# Altium PCB PCB1.PcbDoc (part 1 of 3) (continued)
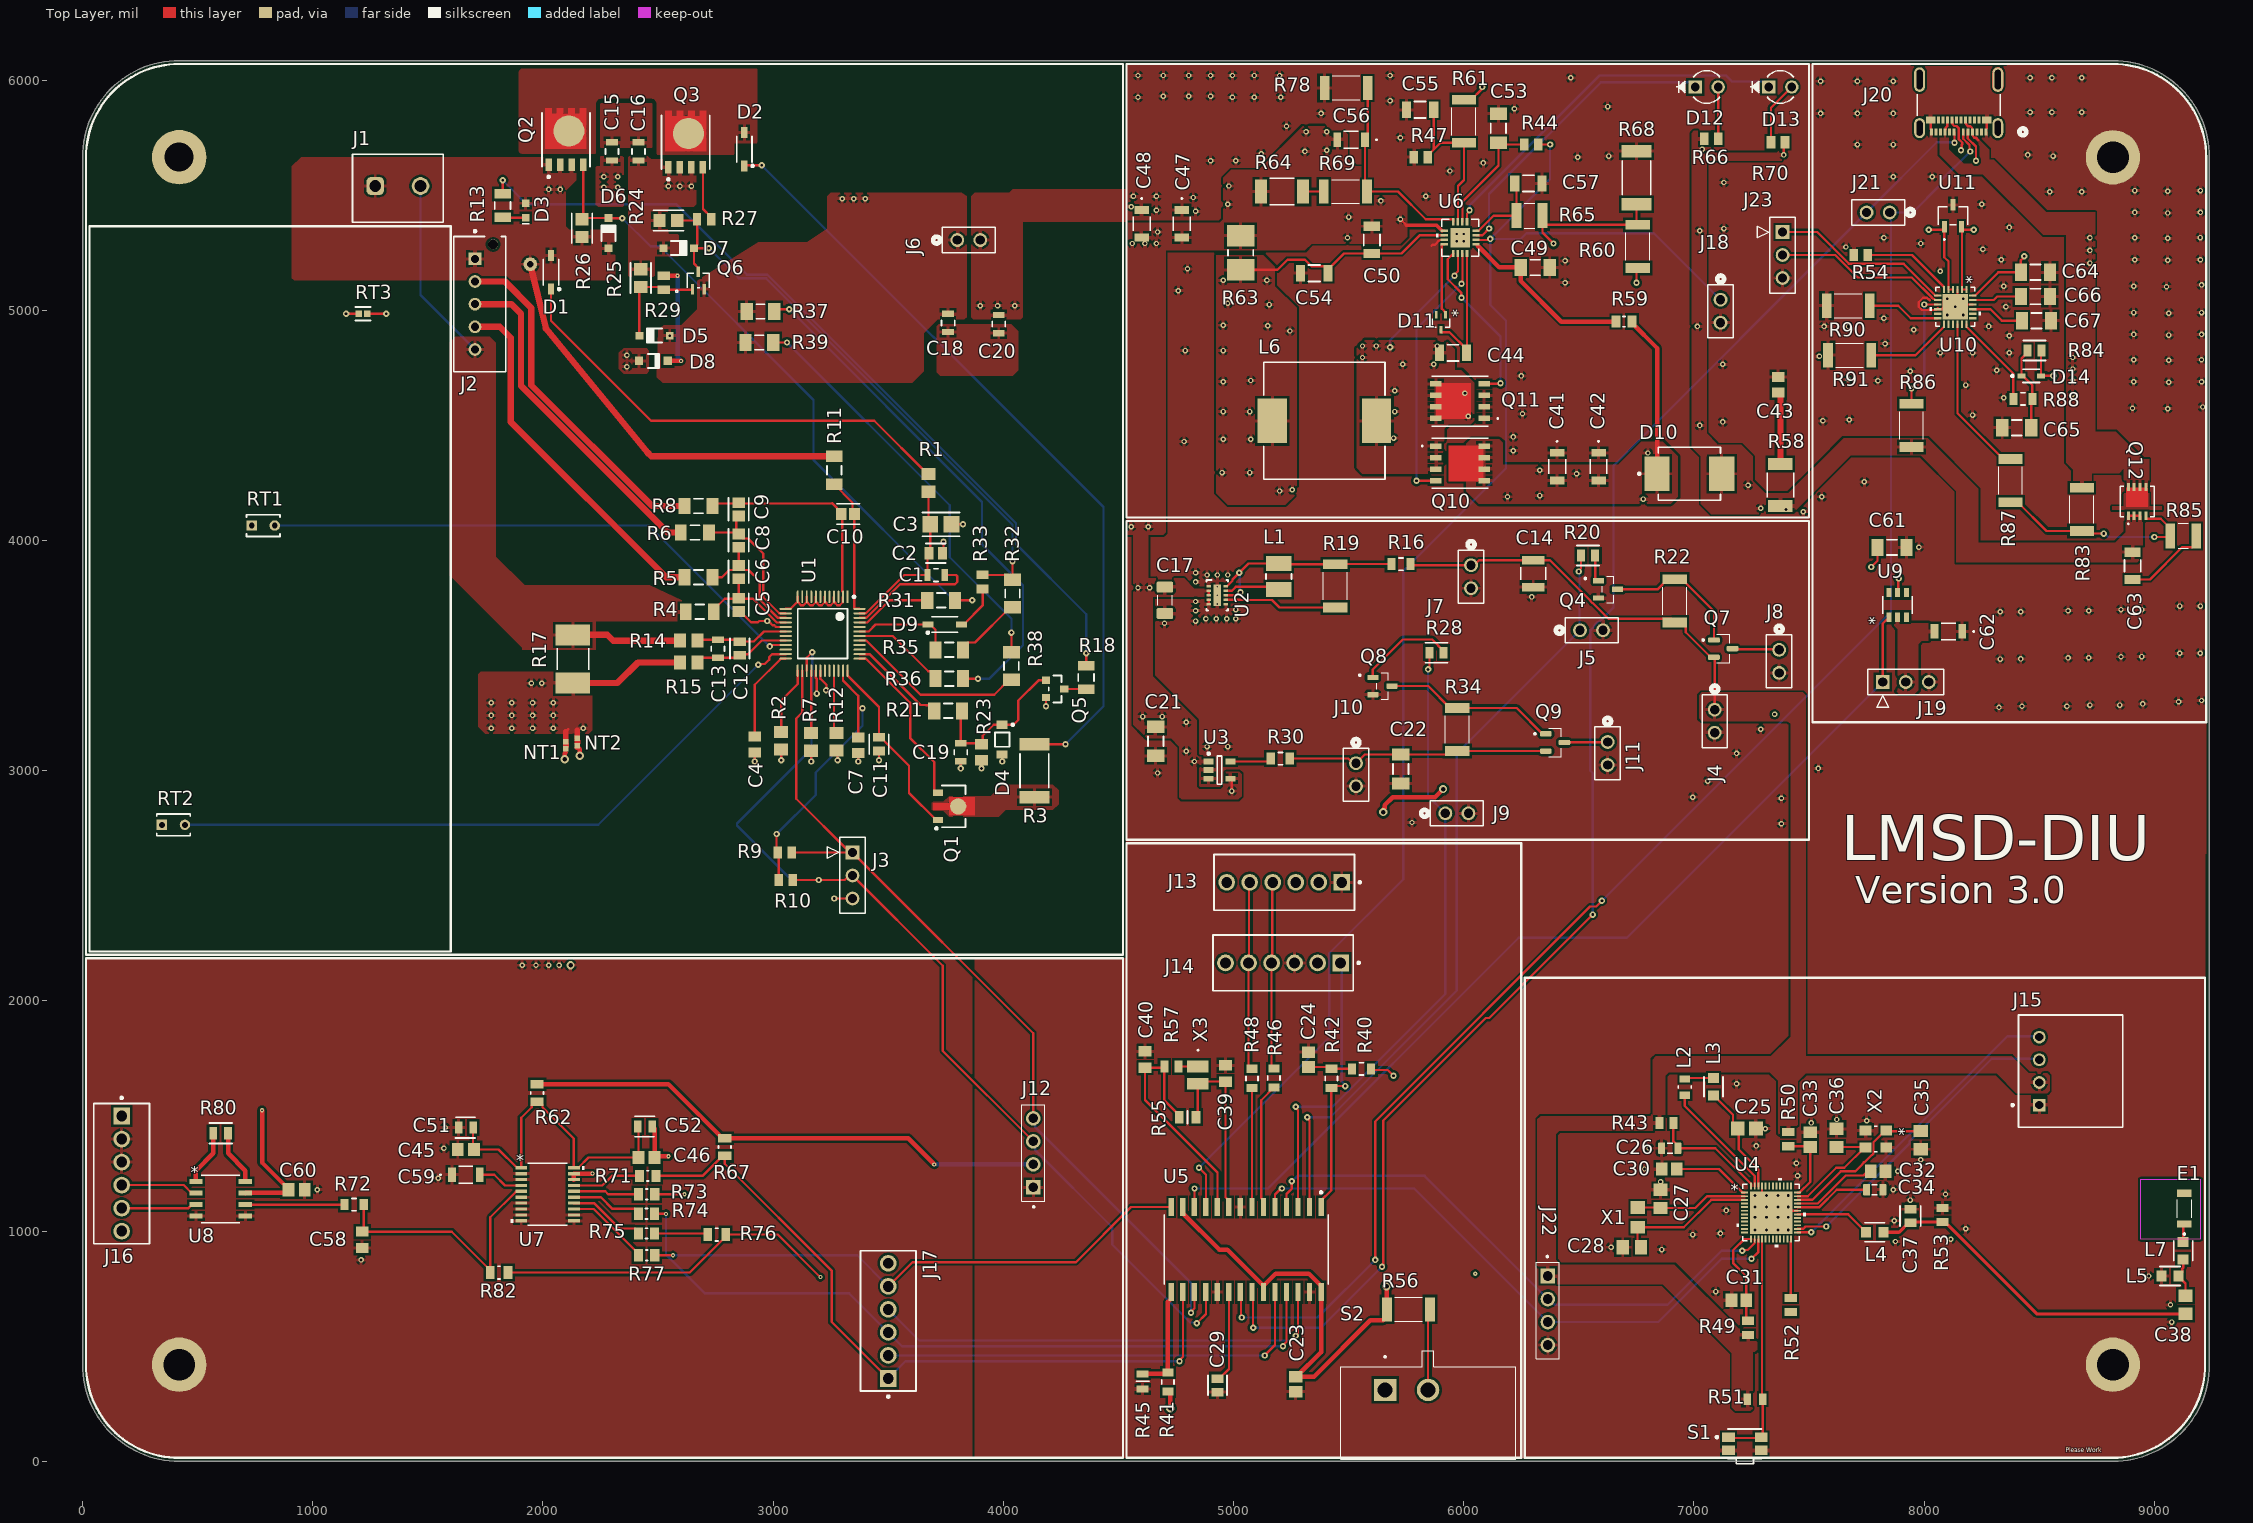
[diagram p0: Top Layer view]
## Components (designator, comment, footprint, x,y, rotation, side; value= is the part's Value field where it differs from the comment) (continued)
D2 "BAT46W-7-F" DIOD-SOD-123-2_V 2875,5700 r270 top
D3 "150060RS75000" WL-SMCW_0603_150060XX75000 1925,5433.5 r90 top
D4 "MMSZ4697T1G" ONSC-SOD-123-2-425-04_V 3995,3135 r270 top
D5 "MMSZ5246B-E3-08" VISH-SOD-123-2_V 2485,4890 r180 top
D6 "MMSZ5246B-E3-08" VISH-SOD-123-2_V 2285,5335 r90 top
D7 "MMSZ5246B-E3-08" VISH-SOD-123-2_V 2590,5270 r0 top
D8 "1N4148W-7-F" DIOD-SOD123-2_V 2480,4780 r0 top
D9 "BAT46W-7-F" DIOD-SOD-123-2_V 3745,3635 r180 top
D10 "MBRS540T3G" ONSC-SMC-2-403-03_V 6980,4290 r0 top
D11 "" SOT523_DIO 5900.6,4948.47 r270 top value=BAT54
D12 "TLLR4400" TLL_SERIES_VIS 7005,5970 r0 top
D13 "TLLR4400" TLL_SERIES_VIS 7325,5970 r0 top
D14 "BAT54JFILM" FP-SOD323-MFG 8465,4715 r0 top value=7pF
E1 "2450AT18B100E" XDCR_2450AT18B100E 9130,1097.5 r90 top
J1 "691137710002" 691137710002 1370,5530 r0 top
J2 "B5B-XH-AM(LF)(SN)" FP-B5B-XH-AM_LF_SN-MFG 1725.67,5026.57 r90 top
J3 "PPPC031LFBN-RC" CONN_PPPC031LFBN-RC_SUL 3345,2645 r90 top
J4 "PPPC021LFBN-RC" CONN_PPPC021_SUL 7090,3265 r90 top
J5 "PPPC021LFBN-RC" CONN_PPPC021_SUL 6505,3610 r180 top
J6 "PPPC021LFBN-RC" CONN_PPPC021_SUL 3800,5305 r180 top
J7 "PPPC021LFBN-RC" CONN_PPPC021_SUL 6031.73,3892.6 r90 top
J8 "PPPC021LFBN-RC" CONN_PPPC021_SUL 7370,3525 r90 top
J9 "PPPC021LFBN-RC" CONN_PPPC021_SUL 5920,2815 r180 top
J10 "PPPC021LFBN-RC" CONN_PPPC021_SUL 5531.73,3032.6 r90 top
J11 "PPPC021LFBN-RC" CONN_PPPC021_SUL 6625,3125 r90 top
J12 "PPTC041LFBN-RC" SULLINS_PPTC041LFBN-RC 4130,1340 r90 top
J13 "22-27-2061" FP-22-27-2061-MFG 5220,2515 r180 top
J14 "22-27-2061" FP-22-27-2061-MFG 5215,2165 r180 top
J15 "61300411121" JST-S4B-XH-A(LF)(SN)_V 8500,1695 r90 top
J16 "22-27-2061" FP-22-27-2061-MFG 170,1250 r270 top
J17 "22-27-2061" FP-22-27-2061-MFG 3500,610 r90 top
J18 "PPPC021LFBN-RC" CONN_PPPC021_SUL 7115.6,5045.97 r90 top
J19 "PPPC031LFBN-RC" CONN_PPPC031LFBN-RC_SUL 7820,3385 r180 top
J20 "CONN_105450-0101" CONN_1054500101_MOL 8150,5925 r180 top
J21 "PPPC021LFBN-RC" CONN_PPPC021_SUL 7850,5425 r0 top
J22 "PPTC041LFBN-RC" SULLINS_PPTC041LFBN-RC 6365,655 r270 top
J23 "PPPC031LFBN-RC" CONN_PPPC031LFBN-RC_SUL 7385,5340 r90 top
L1 "100 uF" FP-CB3225-IPC_A 5196.73,3843.74 r90 top
L2 "10 uH" FP-MLZ2012-1_25-MFG 6960,1625.43 r90 top
L3 "15nH" FP-LQW2BHN_03-MFG 7085,1627.4 r270 top
L4 "3.3nH" FP-LQW2BHN_03-MFG 7785,995 r0 top
L5 "2.7nH" FP-LQW2BHN_03-MFG 9067.4,805 r180 top
L6 "3.3 uH" FP-IHLP-5050EZ-FP_3_226X4-MFG 5394.89,4520.03 r180 top
L7 "3.3nH" FP-LQW2BHN_03-MFG 9125,915 r90 top
NT1 "Net Tie 12x8mil" SHORT06-FP 2100,3110.75 r90 top net-tie
NT2 "Net Tie 12x8mil" SHORT06-FP 2150,3125 r90 top net-tie
Q1 "BCX56-16" FP-SOT89-MFG 3785,2845 r270 top
Q2 "CSD19532Q5B" FP-DNK0008A-MFG 2100,5740.94 r90 top
Q3 "CSD19532Q5B" FP-DNK0008A-MFG 2620,5730 r90 top
Q4 "2N7002KT1G" SOT95P240X111-3N 6626.73,3787.6 r0 top
Q5 "DMN10H220LQ-7" FP-SOT23-MFG 4225,3355 r0 top
Q6 "2N7002KW" SC-70_419AB-01_OSI 2675,5130 r0 top
Q7 "AO3419" SOT95P237X112-3N 7127.09,3530.2 r0 top
Q8 "2N7002KT1G" SOT95P240X111-3N 5646.73,3367.6 r0 top
Q9 "AO3419" SOT95P237X112-3N 6396.73,3122.6 r0 top
Q10 "SIR426DP-T1-GE3" POWERPAK_SO-8_SINGLE 5983.4,4335.03 r0 top
Q11 "SIR426DP-T1-GE3" POWERPAK_SO-8_SINGLE 5983.4,4605.03 r180 top
Q12 "STL9P3LLH6" POWERFLAT_3P3X3P3_STM 8925,4170 r90 top
R1 "100" RESC2013X70X40ML20T20 3675,4250 r270 top
R2 "1.0 k" RESC2013X70X40ML20T20 3035,3130 r270 top
R3 "150" FP-CRCW2512-E3-IPC_B 4135,3000 r90 top
R4 "20.0" RESC3216X60X45ML10T20 2681.02,3690 r0 top
R5 "20.0" RESC3216X60X45ML10T20 2676.02,3840 r0 top
R6 "20.0" RESC3216X60X45ML10T20 2660,4035 r0 top
R7 "1.0 k" RESC2013X70X40ML20T20 3165,3125 r270 top
R8 "20.0" RESC3216X60X45ML10T20 2676.02,4150 r0 top
R9 "1k" RESC2013X70X40LL20T20 3050,2645 r180 top
R10 "1k" RESC2013X70X40LL20T20 3055,2525 r180 top
R11 "20.0" RESC3216X60X45ML10T20 3265,4305 r270 top
R12 "1.0 k" RESC2013X70X40ML20T20 3275,3125.77 r90 top
R13 "3.9 k" VISHAY_CRCW1206-E3_MFG 1825,5455 r270 top
R14 "100" RESC2013X70X40ML20T20 2633.39,3565 r0 top
R15 "100" RESC2013X70X40ML20T20 2633.39,3470 r0 top
R16 "0" FP-RMCF0805-MFG 5726.73,3897.6 r0 top
R17 "1 mOhms" RES_R2512_ROM 2130,3485 r270 top
R18 "3.9 k" VISHAY_CRCW1206-E3_MFG 4360,3405 r90 top
R19 "100 k" RESC5025X65N 5441.73,3802.6 r90 top
R20 "470" FP-CRGCQ0805-IPC_C 6540,3935 r180 top value=470Ω
R21 "5.1 k" FP-CRCW1206-E3-IPC_A 3760,3260 r180 top
R22 "10 k" RESC5025X65N 6916.73,3737.6 r90 top
R23 "20 k" RESC2013X70X40NL20T20 3905,3080 r90 top
R24 "10M" FP-RMCF0805-IPC_A 2545,5390 r180 top
R25 "10M" FP-RMCF0805-IPC_A 2425,5140 r90 top
R26 "10M" FP-RMCF0805-IPC_A 2170,5356.58 r270 top
R27 "0" RESC2013X65X40LL15T20 2700.51,5395 r0 top
R28 "470" FP-CRGCQ0805-IPC_C 5881.73,3512.6 r0 top value=470Ω
R29 "10 k" RESC2013X70X40LL20T20 2525,5120 r270 top
R30 "0" FP-RMCF0805-MFG 5203.07,3052.6 r0 top
R31 "5.1 k" FP-CRCW1206-E3-IPC_A 3730,3740 r0 top
R32 "5.1 k" FP-CRCW1206-E3-IPC_A 4040,3770 r90 top
R33 "7.5 k" RESC2013X70X40LL20T20 3910,3820 r90 top
R34 "10 k" RESC5025X65N 5971.73,3178.9 r90 top
R35 "5.1 k" FP-CRCW1206-E3-IPC_A 3765,3525 r0 top
R36 "5.1 k" FP-CRCW1206-E3-IPC_A 3765,3400 r0 top
R37 "5.1 k" FP-CRCW1206-E3-IPC_A 2945.08,4995 r180 top
R38 "5.1 k" FP-CRCW1206-E3-IPC_A 4035,3455 r90 top
R39 "5.1 k" FP-CRCW1206-E3-IPC_A 2940,4860 r180 top
R40 "10k" FP-AT0805-MFG 5556.34,1705 r0 top
R41 "10k" FP-AT0805-MFG 4715,345 r270 top
R42 "1k" FP-RMCF0805-MFG 5425,1663.66 r90 top
R43 "0" RESC2013X65X40LL15T20 6880,1470 r180 top
R44 "10 k" RESC2013X70X40LL20T20 6293.4,5720.03 r180 top
R45 "22k" FP-MCU0805-IPC_C 4605,347.55 r90 top
R46 "10" FP-RT0805-MFG 5175,1665 r270 top value=10Ω
R47 "10 k" RESC2013X70X40LL20T20 5813.4,5665.03 r0 top
R48 "10" FP-RT0805-MFG 5080,1663.66 r270 top value=10Ω
R49 "0" RESC2013X65X40LL15T20 7235,580 r90 top
R50 "0" RESC2013X65X40LL15T20 7410,1399.49 r90 top
R51 "10k" RESC0805(2012)_L 7265,270 r0 top value="10000.00 Ohm"
R52 "0" RESC2013X65X40LL15T20 7420,679.49 r90 top
R53 "0 NC" RESC2013X65X40LL15T20 8080,1070.51 r90 top
R54 "10 k" RESC2013X70X40LL20T20 7725,5240 r0 top
R55 "1M" FP-MCU0805-IPC_B 4800,1495 r0 top
R56 "10 k" RESC5025X65N 5760,660 r180 top
R57 "0" RESC2013X65X40LL15T20 4730,1715 r180 top
R58 "2" RES_RMCF2010_STP 7375.6,4240.97 r270 top
R59 "10Ω" RESC2013X60X35NL10T20 6696.04,4950.97 r180 top
R60 "9.1 k" RESC5025X65N 6755.6,5277.26 r270 top
R61 "100 k" RESC5025X65N 6000.6,5820.97 r90 top
R62 "100kΩ" FP-CRCW0805-E3-MFG 1975,1600 r90 top
R63 "0.001" FP-WSL2010-1_47-MFG 5030.6,5249.98 r90 top
R64 "140 k" RES_RMCF2010_STP 5210.6,5515.97 r180 top
R65 "100" RESC3126X65N 6285.6,5410.97 r180 top
R66 "10 k" RESC2013X70X40LL20T20 7075,5745 r0 top
R67 "100kΩ" FP-CRCW0805-E3-MFG 2790,1365 r90 top
R68 "261 k" FP-CRCW2512-E3-IPC_B 6750.6,5575.97 r270 top
R69 "560 k" RESC5025X65N 5485.6,5515.97 r180 top
R70 "10 k" RESC2013X70X40LL20T20 7365,5730 r180 top
R71 "10Ω" RESC2013X60X35NL10T20 2455,1240 r0 top
R72 "820Ω" FP-AC0805-MFG 1180,1115 r0 top
R73 "10Ω" RESC2013X60X35NL10T20 2450.43,1160 r0 top
R74 "10Ω" RESC2013X60X35NL10T20 2450,1075 r0 top
R75 "10Ω" RESC2013X60X35NL10T20 2450,990 r0 top
R76 "0Ω" FP-RCC0805-E3-MFG 2755,985 r0 top
R77 "10Ω" RESC2013X60X35NL10T20 2450.43,895 r0 top
R78 "100 k" RESC5025X65N 5489.3,5965.97 r0 top
R80 "442Ω" FP-RN73R2A-IPC_C 600,1425 r180 top
R82 "0Ω" FP-RCC0805-E3-MFG 1810,820 r180 top
R83 "100 k" RESC5025X65N 8685,4135 r90 top
R84 "470" FP-CRGCQ0805-IPC_C 8479.45,4825 r0 top value=470Ω
R85 "100" RESC3126X65N 9125,4020 r0 top
R86 "1 k" RESC5025X65N 7945,4500 r270 top
R87 "22 k" RESC5025X65N 8375,4260 r270 top
R88 "1k" FP-RMCF0805-MFG 8428.66,4615 r0 top
R90 "100 k" RESC5025X65N 7670,5020 r0 top
R91 "100 k" RESC5025X65N 7676.3,4805 r0 top
RT1 "103AT-2" FP-103AT-2-MFG 785,4065 r0 top
RT2 "103AT-2" FP-103AT-2-MFG 395,2765 r0 top
RT3 "10 k" FP-NCP15-NCU15-0_05-IPC_A 1218.84,4985 r0 top
S1 "EVQ-P7A01P" FP-EVQ-P7A01P-MFG 7220.87,63.66 r0 top
S2 "L101011ML04Q" SW_L101011ML04Q 5845,210 r0 top
U1 "BQ76942PFBR" FP-PFB0048A-IPC_C 3215,3595 r270 top
U2 "TPS62177DQCR" DQC0010A 4929.33,3761.97 r0 top
U3 "MCP1804T-A002I/OT" SOT-23-OT5_N 4938.98,3002.6 r0 top
U4 "NRF52832-QFAA-R7" QFN48_6X6_QF_NOR 7334.91,1080.63 r0 top
U5 "PIC32MX274F256B-I/SO" FP-C04-052-MFG 5055,920 r270 top
U6 "BQ24600_RVA_16" RVA16_2P14X2P14 5984.5,5315.5 r180 top
U7 "MCP3562RT-E/ST" TSSOP20_ST_MCH 2020,1160 r0 top
U8 "INA818ID" SOIC-8_TEX 600,1140 r0 top
U9 "MP5035GJ-P" TSOT23-6_MP5035_MNP 7885,3720 r90 top
U10 "STUSB4500QTR" QFN24_STUSB4500_STM 8135,5015 r270 top value=STUSB4500LQTR
U11 "ESDA25L" SOT_A25L_STM 8125,5410 r0 top
X1 "32.678 kHz" XTAL_FC-135R_EPS 6755,1060 r270 top
X2 "ECS-320-8-33B-7KM-TR" ECS-33B_ECS 7790,1400 r270 top
X3 "8MHz" XTAL_NX3225GD-8MHZ-STD-CRA-3_NDK 4845,1677.5 r270 top

## Footprints (in the part's own frame and the unit in brackets; to place one, negate y for a bottom-side part, rotate by r counter-clockwise, add the part's x,y. Pads: shape width x height; smd on the part's side, far side on the other; paste and mask are expansions set on the pad)
691137710002 [mm]
  rrect50% 1.95x1.95 hole 1.3: 1(-2.5,0.25)
  round 1.95 hole 1.3: 2(2.5,0.25)
  silkscreen extent -5,-3.75 5,3.75, body extent -5,-3.75 5,3.75, height 11.6
CAP_CL31_SAM [mm]
  rect 0.85x1.6 smd paste+0 mask+0: 1(-1.525,0) 2(1.525,0)
  silkscreen extent -2.86,-0.93 0.79,0.93, body extent -1.6,-0.8 1.6,0.8, height 1
CAP_CL32_SAM [mm]
  rect 0.956x2.5 smd paste+0 mask+0: 1(-1.478,0) 2(1.478,0)
  silkscreen extent -0.69,-1.38 0.69,1.38, body extent -1.6,-1.25 1.6,1.25, height 1
CAPC0805(2012)75_N [mm]
  rect 1.15x1.45 smd: 1(-0.9,0) 2(0.9,0)
  body extent -1.1,-0.72 1.1,0.73, height 0.75
CAPC0805(2012)145_L [mm]
  rrect25% 0.76x1.3 smd: 1(-0.9,0) 2(0.89,0)
  silkscreen extent -0.3,-0.55 0.3,0.55, body extent -1,-0.6 1,0.6, height 1.45
CAPC0805(2012)145_M [mm]
  rect 1.35x1.55 smd: 1(-1,0) 2(1,0)
  body extent -1.1,-0.72 1.1,0.72, height 1.45
CAPC1206(3216)150_M [mm]
  rect 1.35x1.9 smd: 1(-1.6,0) 2(1.6,0)
  silkscreen extent -0.55,-0.85 0.55,0.85, body extent -1.7,-0.9 1.7,0.9, height 1.5
CAPC2012X135N [mm]
  rect 1.1x1.38 smd paste+0 mask+0.102: 1(-0.863,0) 2(0.863,0)
  body extent -1,-0.63 1,0.63, height 1.35
CAPC2013X145X48NL20T23 [mm]
  rect 1.3x1.45 smd: 1(-0.825,0) 2(0.825,0)
  body extent -1.1,-0.72 1.1,0.72, height 1.45
CAPC2013X145X50LL20T25 [mm]
  rect 1.1x1.35 smd: 1(-0.889,0) 2(0.889,0)
  body extent -1.1,-0.72 1.1,0.72, height 1.45
CAPC2013X145X50ML20T25 [mm]
  rect 1.5x1.55 smd: 1(-1.016,0) 2(1.016,0)
  body extent -1.1,-0.72 1.1,0.73, height 1.45
CAPC2013X145X50NL20T25 [mm]
  rect 1.3x1.45 smd: 1(-0.889,0) 2(0.889,0)
  body extent -1.1,-0.72 1.1,0.72, height 1.45
CAPC3216X180N [mm]
  rrect25% 1.2x1.82 smd: 1(-1.46,0) 2(1.46,0)
  silkscreen extent -0.54,-0.8 0.54,0.8, body extent -1.6,-0.8 1.6,0.8, height 1.8
CONN_1054500101_MOL [mil]
  rect 13x30 smd paste+0 mask+0: A1(-118.11,149.96) A2(-98.43,149.96) A3(-78.74,149.96) A4(-59.06,149.96) A5(-39.37,149.96) A6(-19.68,149.96) A7(19.68,149.96) A8(39.37,149.96) A9(59.06,149.96) A10(78.74,149.96) A11(98.43,149.96) A12(118.11,149.96) B2(88.58,98.78) B3(68.9,98.78) B4(49.21,98.78) B5(29.53,98.78) B6(9.84,98.78) B7(-9.84,98.78) B8(-29.53,98.78) B9(-49.21,98.78) B10(-68.9,98.78) B11(-88.58,98.78)
  rect 41x30 smd paste+0 mask+0: B1(122.05,98.78) B12(-122.05,98.78)
  oval 47x87 hole 26 slot 65 at 90 deg paste-99999 mask-43.5: S1(-170.08,133.81) S4(170.08,133.81)
  oval 47x107 hole 26 slot 85 at 90 deg paste-99999 mask-53.5: S2(-170.08,-77.21) S3(170.08,-77.21)
  Top Layer region: -193.13,-42.62 -193.58,-47.21 -193.58,-107.21 -193.13,-111.79 -191.79,-116.2 -189.62,-120.26 -186.7,-123.83 -183.13,-126.75 -179.07,-128.92 -174.66,-130.26 -170.08,-130.71 -165.49,-130.26 -161.09,-128.92 -157.02,-126.75 -153.46,-123.83 -150.54,-120.26 -148.37,-116.2 -147.03,-111.79 -146.58,-107.21 -146.58,-47.21 -147.03,-42.62 -148.37,-38.22 -150.54,-34.15 -153.46,-30.59 -157.02,-27.67 -161.09,-25.5 -165.49,-24.16 -170.08,-23.71 -174.66,-24.16 -179.07,-25.5 -183.13,-27.67 -186.7,-30.59 -189.62,-34.15 -191.79,-38.22
  Multi-Layer lines w1: 203.58,-146.67 -203.58,-146.67
  silkscreen extent -294,-13 181,165, body extent -176,-145 176,166, height 125
CONN_PPPC021_SUL [mil]
  round 60 hole 40 paste-99999 mask+0: 1(0,0) 2(-100,0)
  silkscreen extent -165,-55 105,55, body extent -160,-50 60,50, height 337
CONN_PPPC031LFBN-RC_SUL [mil]
  rect 60x60 / inner round 60 / far side rect 60x60 hole 40 paste-99999 mask+0: 1(0,0)
  round 60 hole 40 paste-99999 mask+0: 2(-100,0) 3(-200,0)
  silkscreen extent -265,-55 65,110, body extent -260,-50 60,50, height 335
DIOD-SOD123-2_V [mm]
  rect 0.9x0.95 smd: 1(-1.575,0) 2(1.575,0)
  silkscreen extent -0.64,-0.82 0.64,0.77, body extent -1.35,-0.77 1.35,0.77, height 1.45
DIOD-SOD-123-2_V [mm]
  rect 1.2x0.7 smd: 1(-1.85,0) 2(1.85,0)
  silkscreen extent -1.43,-0.85 1.97,1.03, body extent -1.42,-0.85 1.43,0.85, height 1.45
DQC0010A [mm]
  rect 0.5x0.25 smd paste+0 mask+0.051: 1(-0.95,1) 2(-0.95,0.5) 3(-0.95,0) 4(-0.95,-0.5) 5(-0.95,-1) 6(0.95,-1) 7(0.95,-0.5) 8(0.95,0) 9(0.95,0.5) 10(0.95,1)
  rect 0.84x2.4 smd paste-0.42 mask+0.051: 11(0,0)
  round 0.5 hole 0.203 paste-2539.97 mask+0.051: V(0,-0.95) V(0,0) V(0,0.95)
  silkscreen extent -1.18,-1.68 1.17,1.68, body extent -1,-1.5 1,1.5, height 0.8
ECS-33B_ECS [mil]
  rect 43x51 smd paste+0 mask+0: 1(-37.4,45.28) 2(-37.4,-45.28) 3(37.4,-45.28) 4(37.4,45.28)
  silkscreen extent -56,-7 56,7, body extent -49,-63 49,63, height 31
FP-22-27-2061-MFG [mm]
  rect 1.84x1.84 hole 1.19 paste-2539.97 mask+0: 1(-6.35,0)
  round 1.84 hole 1.19 paste-2539.97 mask+0: 2(-3.81,0) 3(-1.27,0) 4(1.27,0) 5(3.81,0) 6(6.35,0)
  silkscreen extent -8.47,-3.08 7.75,3.08, body extent -7.62,-2.9 7.62,2.9, height 12.05
FP-103AT-2-MFG [mm]
  rect 1.15x1.15 hole 0.65 paste-2539.97 mask+0: 1(-1.27,0)
  round 1.15 hole 0.65 paste-2539.97 mask+0: 2(1.27,0)
  silkscreen extent -1.85,-1.2 1.85,1.2, body extent -1.95,-1.3 1.95,1.3, height 0.25
FP-AC0805-MFG [mm]
  rect 0.9x1.2 smd paste+0 mask+0: 1(-1.05,0) 2(1.05,0)
  silkscreen extent -0.23,-0.67 0.23,0.67, body extent -1,-0.63 1,0.63, height 0.6
FP-AT0805-MFG [mm]
  rect 0.9x1.2 smd paste+0 mask+0: 1(-1.05,0) 2(1.05,0)
  silkscreen extent -0.23,-0.67 0.23,0.67, body extent -1.6,-0.77 1.6,0.77, height 0.25
FP-B5B-XH-AM_LF_SN-MFG [mm]
  rect 1.4x1.4 hole 0.9 paste-2539.97 mask+0: 1(5,0.525)
  round 1.4 hole 0.9 paste-2539.97 mask+0: 2(2.5,0.525) 3(0,0.525) 4(-2.5,0.525) 5(-5,0.525)
  round 1.1 hole 1.1 unplated paste-2539.97 mask+0: ""(6.6,-1.475)
  silkscreen extent -7.45,-2.88 8.17,2.88, body extent -7.45,-2.88 7.45,2.88, height 7
FP-C04-052-MFG [mm]
  rect 2x0.6 smd paste+0 mask+0: 1(-4.7,8.255) 2(-4.7,6.985) 3(-4.7,5.715) 4(-4.7,4.445) 5(-4.7,3.175) 6(-4.7,1.905) 7(-4.7,0.635) 8(-4.7,-0.635) 9(-4.7,-1.905) 10(-4.7,-3.175) 11(-4.7,-4.445) 12(-4.7,-5.715) 13(-4.7,-6.985) 14(-4.7,-8.255) 15(4.7,-8.255) 16(4.7,-6.985) 17(4.7,-5.715) 18(4.7,-4.445) 19(4.7,-3.175) 20(4.7,-1.905) 21(4.7,-0.635) 22(4.7,0.635) 23(4.7,1.905) 24(4.7,3.175) 25(4.7,4.445) 26(4.7,5.715) 27(4.7,6.985) 28(4.7,8.255)
  silkscreen extent -6.42,-9.05 3.8,9.05, body extent -5.8,-9.3 5.8,9.3, height 0.25
FP-C0805C106K3PACTU-MFG [mm]
  rect 0.95x1.35 smd paste+0 mask+0: 1(-0.75,0) 2(0.75,0)
  silkscreen extent -1.1,-1.05 1.1,1.05, body extent -1.4,-0.85 1.4,0.85, height 0.25
FP-C0805C-DN-MFG [mm]
  rect 0.95x1.35 smd paste+0 mask+0: 1(-0.75,0) 2(0.75,0)
  silkscreen extent -1.1,-1.07 1.1,1.07, body extent -1.4,-0.85 1.4,0.85, height 0.25
FP-C2012-125-0_2-IPC_C [mil]
  rect 46.38x53.39 smd paste+0 mask+0: 1(-30,0) 2(27.29,0)
  silkscreen extent -49,-44 49,44, body extent -53,-32 53,32, height 10
FP-C3216-160-0_2-IPC_B [mil]
  rect 69.05x71.11 smd paste+0 mask+0: 1(-46.3,0) 2(46.3,0)
  silkscreen extent -81,-51 81,51, body extent -91,-45 91,45, height 10
FP-CB3225-IPC_A [mil]
  rect 65.14x110.48 smd paste+0 mask+0: 1(-56.14,0) 2(56.14,0)
  silkscreen extent -12,-55 12,55, body extent -108,-75 108,75, height 10
FP-CBR08C-MFG [mm]
  rect 0.95x1.35 smd paste+0 mask+0: 1(-0.75,0) 2(0.75,0)
  silkscreen extent -1.1,-1.15 1.1,1.15, body extent -1.4,-0.85 1.4,0.85, height 0.25
FP-CC1206-1_25-MFG [mm]
  rect 1x1.8 smd paste+0 mask+0: 1(-1.5,0) 2(1.5,0)
  silkscreen extent -0.63,-0.9 0.63,0.9, body extent -2.2,-1.25 2.2,1.25, height 0.25
FP-CL21B106KOQNNNE-MFG [mm]
  rect 0.825x1.325 smd paste+0 mask+0: 1(-0.8,0) 2(0.8,0)
  silkscreen extent -1.13,-1.14 1.05,1.12, body extent 6.71,-0.62 8.71,0.63, height 3.3
FP-CRCW0805-E3-MFG [mm]
  rect 0.95x1.45 smd paste+0 mask+0: 1(-0.975,0) 2(0.975,0)
  silkscreen extent -0.13,-0.7 0.13,0.7, body extent -1,-0.63 1,0.63, height 0.5
FP-CRCW1206-E3-IPC_A [mil]
  rect 53.39x73.16 smd paste+0 mask+0: 1(-60.08,0) 2(60.08,0)
  silkscreen extent -19,-31 19,31, body extent -106,-56 106,56, height 10
FP-CRCW2512-E3-IPC_B [mil]
  rect 53.34x130.24 smd paste+0 mask+0: 1(-115.18,0) 2(115.18,0)
  silkscreen extent -74,-62 74,62, body extent -152,-75 152,75, height 10
FP-CRGCQ0805-IPC_C [mil]
  rect 35.67x51.57 smd paste+0 mask+0: 1(-30.55,0) 2(30.55,0)
  silkscreen extent -48,-43 48,43, body extent -52,-31 52,31, height 10
FP-DNK0008A-MFG [mm]
  rect 1.372x0.71 smd paste-1000 mask+0: 1(-2.77,1.905) 2(-2.77,0.635) 3(-2.77,-0.635) 4(-2.77,-1.905)
  round 3.434 smd paste-1000 mask+0: 5-6-7-8(0.958,-0.317)
  Top Layer region: -0.984,-2.26 3.456,-2.26 3.456,-1.55 2.866,-1.55 2.866,-0.99 3.456,-0.99 3.456,-0.28 2.866,-0.28 2.866,0.28 3.456,0.28 3.456,0.99 2.866,0.99 2.866,1.55 3.456,1.55 3.456,2.26 -0.984,2.26
  silkscreen extent -4.22,-2.65 2.95,2.65, body extent -3.56,-2.65 3.56,2.65, height 0.25
FP-EVQ-P7A01P-MFG [mm]
  rect 1.4x1.05 smd paste+0 mask+0: 1(-1.8,1.05) 1'(1.8,1.05) 2(-1.8,-0.4) 2'(1.8,-0.4)
  silkscreen extent -3.2,-1.88 1.85,1.95, body extent -2.6,-1.97 2.6,1.97, height 0.25
FP-GCJ21B-0_3-MFG [mm]
  rect 0.7x1.3 smd paste+0 mask+0: 1(-1,0) 2(1,0)
  silkscreen extent -0.28,-0.72 0.28,0.72, body extent -1.45,-0.82 1.45,0.82, height 0.25
FP-GCM219-0_15-MFG [mm]
  rect 0.7x1.3 smd paste+0 mask+0: 1(-0.95,0) 2(0.95,0)
  silkscreen extent -0.23,-0.7 0.23,0.7, body extent -1.4,-0.8 1.4,0.8, height 0.25
FP-IHLP-5050EZ-FP_3_226X4-MFG [mil]
  rect 127.01x195 smd paste+0 mask+0: 1(-226.5,0) 2(226.5,0)
  silkscreen extent -264,-254 264,254, body extent -294,-258 294,258, height 10
FP-LQW2BHN_03-MFG [mm]
  rect 1.1x1.2 smd paste+0 mask+0: 1(-0.95,0) 2(0.95,0)
  silkscreen extent -1.1,-1.05 1.1,1.05, body extent -1.6,-0.95 1.6,0.95, height 0.25
FP-MCU0805-IPC_B [mil]
  rect 37.74x55.44 smd paste+0 mask+0: 1(-36.48,0) 2(36.48,0)